# Altium PCB PCB1.PcbDoc (part 2 of 2)
Units mil, origin at the board's own origin, x right, y up, seen from the top; angles counter-clockwise.
Board outline 8167.88 x 5913.39 mil, 2 copper layers (TOPLAYER, BOTTOMLAYER); 164 components, 80 nets, 399 pads, 1383 vias.
Unrouted connection lines stored in the file: 647.
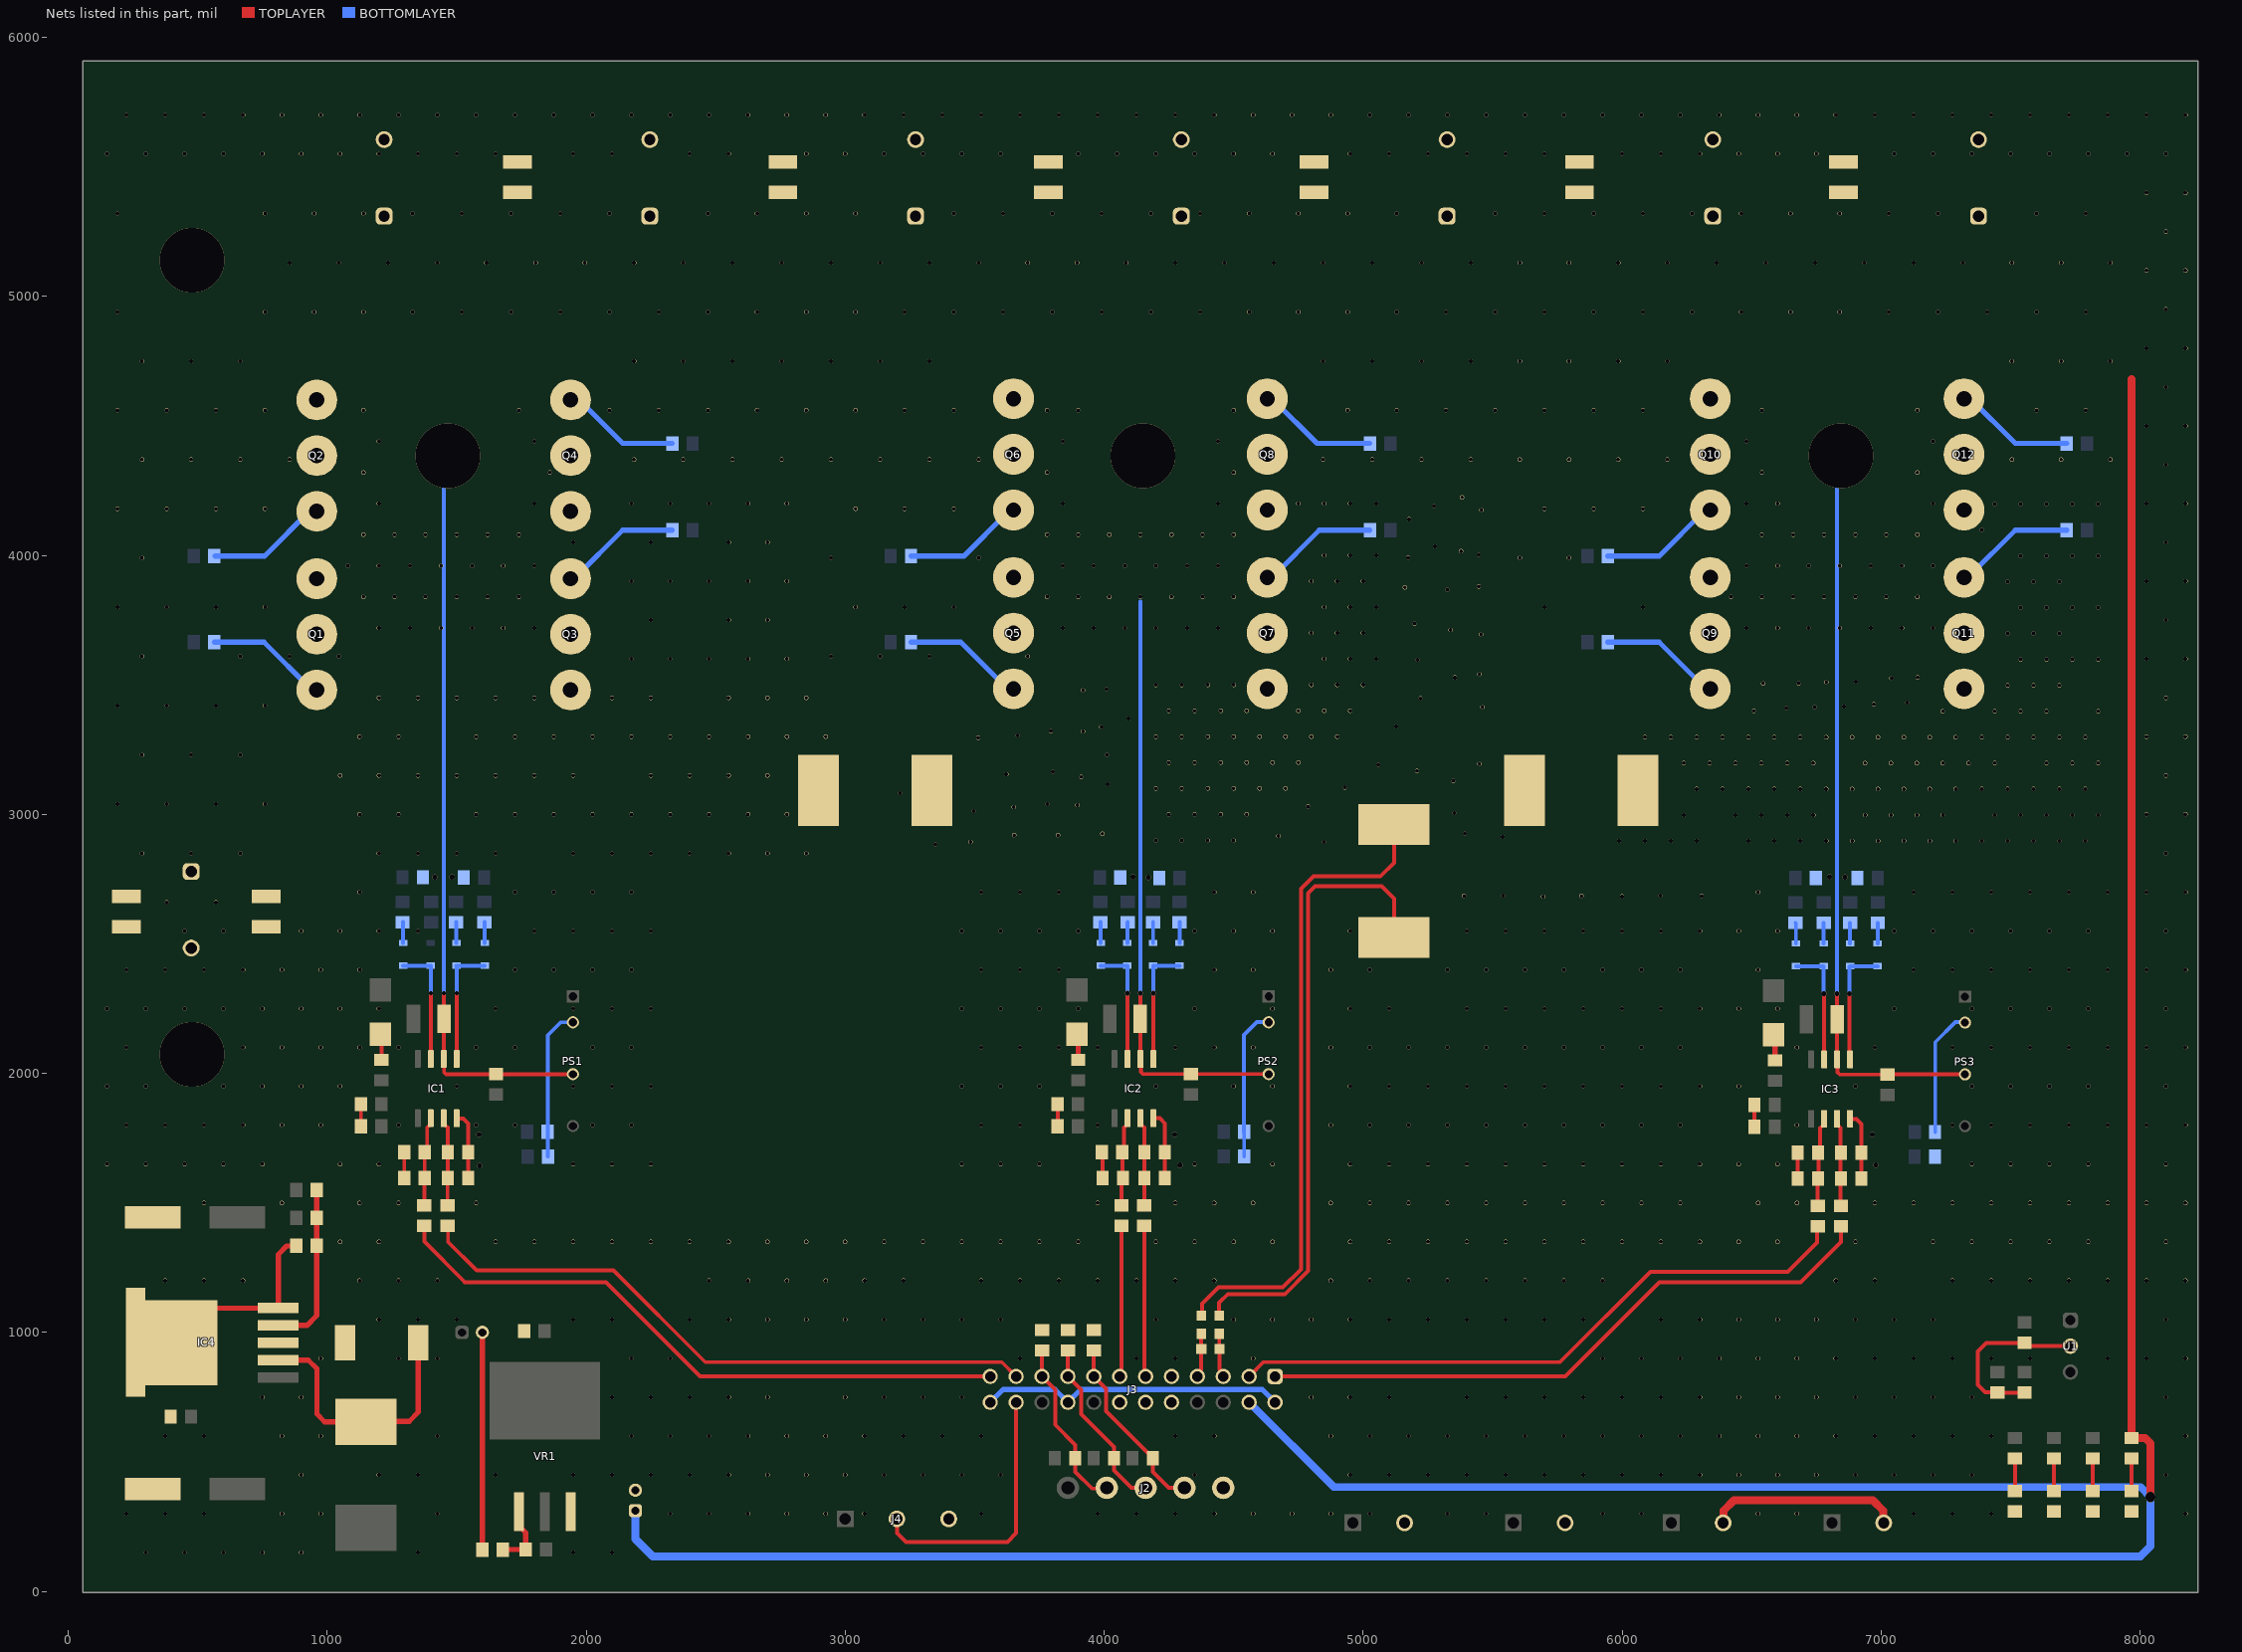
[diagram p2: the nets of this part, all layers, seen from the top]

## Via types
v1: diameter 16, hole 15, TOPLAYER to BOTTOMLAYER, tented both sides, 1340 vias
v2: diameter 20, hole 20, TOPLAYER to BOTTOMLAYER, tented both sides, 19 vias
v3: diameter 25, hole 25, TOPLAYER to BOTTOMLAYER, tented both sides, 6 vias
v4: diameter 250, hole 250, TOPLAYER to BOTTOMLAYER, 5 vias
v5: diameter 120, hole 110, TOPLAYER to BOTTOMLAYER, tented both sides, 4 vias
v6: diameter 125.98, hole 125.98, TOPLAYER to BOTTOMLAYER, tented both sides, 4 vias
v7: diameter 15, hole 15, TOPLAYER to BOTTOMLAYER, tented both sides, 3 vias
v8: diameter 40, hole 40, TOPLAYER to BOTTOMLAYER, tented both sides, 1 vias
v9: diameter 30, hole 30, TOPLAYER to BOTTOMLAYER, tented both sides, 1 vias

## Nets (pads, with @x,y where several pads share a name; then routed paths per layer and width w, separated by ;. In a path a pad name is that pad's centre, name@x,y a point inside that pad or via, vN(x,y) a via of type N, cw(c..) or ccw(c..) an arc to the next point about the centre after c; other vN are vias at no path point) (continued)
GND: +5V.2 +15V.2 +45V.2 C1.2 C3.2 C4.2 C5.2 C6.2 C7.1 C8.1 C9.1 C10.2 C11.2 C12.2 C13.2 C14.1 C15.1 C16.1 C17.1 C18.2 C20.1 C21.1 C22.2 C23.1 C24.1 C25.1 C26.1 C27.1 C29.2 C30.1 C31.1 C32.1 C33.1 C34.1 C36.1 C38.1 C39.1 C45.2 C46.2 C47.1 C50.1 C51.1 C53.1 C54.2 C55.2 C57.1 C58.1 C59.2 C60.1 D16.1 IC1.4 IC2.4 IC3.4 IC4.3 IC4.5 J2.5 J3.2 J3.9 J3.10 J3.12 J3.14 J3.18 J3.24 J4.3 P1.2 P2.2 P3.2 P4.2 PS1.2 PS2.2 PS3.2 R2.2 R9.2 R12.1 R16.2 R18.2 R27.2 R30.1 R33.2 R34.2 R36.2 R43.2 R46.1 R50.2 R52.1 R58.2 R60.2 U1.2 VIN.2 | length 9675.4
  TOPLAYER w15: C8.1@1130.63,1796.04 C7.1@1130.63,1881 ; C1.2@1297.63,1596 R2.2@1297.63,1696 ; IC1.4@1500,1826.67 1500.6,1826.07 1524.93,1826.07 1544.37,1806.63 R12.1@1544.37,1696 C9.1@1544.37,1596 ; C21.1@3820.63,1796.04 C20.1@3820.63,1881 ; R18.2@3991.63,1696 3993.63,1694 C18.2@3993.63,1596 ; IC2.4@4189.4,1827.27 IC2.4@4190,1826.67 4214.33,1826.67 4233.77,1807.23 C27.1@4233.77,1596.6 ; R60.2@4444,1065 4444,1115 4477,1148 4698,1148 4788,1238 4788,2695 4815,2722 5071,2722 5119,2674 R34.2@5119,2524.53 ; C31.1@6510.63,1794.04 C30.1@6510.63,1879 ; C29.2@6677.63,1594 R36.2@6677.63,1694 ; IC3.4@6879,1824.67 6879.6,1824.07 6903.93,1824.07 6923.37,1804.63 R46.1@6923.37,1694 C32.1@6923.37,1594 ; C33.1@7554,767.63 C34.1@7449,767.63 7447.36,769.27 7401.73,769.27 7373,798 7373,926 7406.63,959.63 C36.1@7554,959.63 7566.63,947 U1.2@7730.92,947
  TOPLAYER w20: IC4.3@399.74,960 533.6,1093.86 IC4.5@811.59,1093.86 811.59,1301.59 843.32,1333.32 878.97,1333.32 R52.1@880.66,1335 ; C55.2@1599.37,1015 1599.63,1014.74 R58.2@1599.63,161
  TOPLAYER w30: P3.2@6390,265 6391.19,266.19 6391.19,311.19 6432,352 6968,352 7008.81,311.19 7008.81,266.19 P4.2@7010,265
  BOTTOMLAYER w15: C38.1@1852.37,1679 1852.37,1773 C39.1@1851.37,1774 1851.37,2147.37 1901.18,2197.18 PS1.2@1949,2197.18 ; C50.1@4540.4,1679.28 4540.4,1773.28 4539.4,1774.28 4539.4,2147.65 4589.21,2197.47 PS2.2@4637.03,2197.47 ; C58.1@7209,1773.57 7209,2120.54 7286.71,2198.25 PS3.2@7334.53,2198.25
  BOTTOMLAYER w20: J3.24@3560,730 3609.53,779.53 3810.47,779.53 J3.18@3860,730 3909.53,779.53 4610.47,779.53 J3.2@4660,730
  other v1: 300,150 450,150 600,150 750,150 900,150 1350,150 1950,150 2100,150 225,300 375,300 525,300 825,300 975,300 1425,300 2325,300 2475,300 2625,300 2775,300 2925,300 3075,300 3525,300 3975,300 4125,300 4275,300 4425,300 4575,300 4725,300 4875,300 5025,300 5325,300 5475,300 5925,300 6075,300 6525,300 6675,300 7125,300 7275,300 7425,300 8175,300 900,450 1200,450 1350,450 1650,450 1950,450 2100,450 2250,450 2400,450 2550,450 2700,450 2850,450 3000,450 3150,450 3300,450 3450,450 3600,450 4350,450 4950,450 5100,450 5250,450 5400,450 5550,450 5700,450 5850,450 6000,450 6150,450 6300,450 6450,450 6600,450 6750,450 6900,450 7050,450 7200,450 7350,450 8100,450 375,600 525,600 825,600 975,600 1425,600 2175,600 2325,600 2475,600 2625,600 2775,600 2925,600 3075,600 3225,600 3375,600 3525,600 4275,600 4425,600 4875,600 5025,600 5175,600 5325,600 5475,600 5625,600 5775,600 5925,600 6075,600 6225,600 6375,600 6525,600 6675,600 6825,600 6975,600 7125,600 7275,600 7425,600 8175,600 750,750 900,750 2100,750 2250,750 2400,750 2550,750 2700,750 3000,750 3150,750 3300,750 3450,750 4800,750 4950,750 5100,750 5400,750 5550,750 5700,750 5850,750 6000,750 6150,750 6300,750 6450,750 6600,750 6750,750 6900,750 7050,750 7200,750 7350,750 8100,750 975,900 1275,900 1425,900 2175,900 2325,900 3675,900 4125,900 4275,900 4575,900 5925,900 6075,900 6225,900 6375,900 6525,900 6675,900 6825,900 6975,900 7125,900 7275,900 7425,900 7575,900 7875,900 8025,900 8175,900 1200,1050 1350,1050 1500,1050 1950,1050 2100,1050 2400,1050 2550,1050 2700,1050 2850,1050 3000,1050 3150,1050 3300,1050 3450,1050 3600,1050 4200,1050 4500,1050 4650,1050 4800,1050 4950,1050 5100,1050 5250,1050 5400,1050 5550,1050 5700,1050 5850,1050 6150,1050 6300,1050 6450,1050 6600,1050 6750,1050 6900,1050 7050,1050 7200,1050 8100,1050 375,1200 525,1200 675,1200 1125,1200 1275,1200 1425,1200 2475,1200 2625,1200 2775,1200 2925,1200 3075,1200 3225,1200 3525,1200 3675,1200 3825,1200 3975,1200 4125,1200 4275,1200 4425,1200 4875,1200 5025,1200 5175,1200 5325,1200 5475,1200 5625,1200 5775,1200 5925,1200 6825,1200 6975,1200 7275,1200 7425,1200 7575,1200 7725,1200 7875,1200 8025,1200 8175,1200 1050,1350 1200,1350 1650,1350 1800,1350 1950,1350 2100,1350 2250,1350 2400,1350 2550,1350 2700,1350 2850,1350 3000,1350 3150,1350 3300,1350 3450,1350 3600,1350 3750,1350 3900,1350 4200,1350 4350,1350 4500,1350 4650,1350 4950,1350 5100,1350 5250,1350 5400,1350 5550,1350 5700,1350 5850,1350 6000,1350 6150,1350 6300,1350 6450,1350 6600,1350 6900,1350 7200,1350 7350,1350 7500,1350 7650,1350 7800,1350 8100,1350 525,1500 825,1500 1125,1500 1275,1500 1575,1500 3975,1500 4275,1500 4425,1500 4575,1500 4875,1500 5025,1500 5175,1500 5325,1500 5475,1500 5625,1500 5775,1500 5925,1500 6075,1500 6225,1500 6525,1500 6675,1500 6975,1500 7125,1500 7275,1500 7425,1500 7575,1500 7725,1500 7875,1500 8025,1500 8175,1500 150,1650 300,1650 450,1650 600,1650 750,1650 1050,1650 1200,1650 1950,1650 2100,1650 2250,1650 3450,1650 3600,1650 3750,1650 4350,1650 4650,1650 4950,1650 5100,1650 5250,1650 5400,1650 5550,1650 5700,1650 5850,1650 6000,1650 6150,1650 6300,1650 6450,1650 6600,1650 7350,1650 7500,1650 7650,1650 7800,1650 8100,1650 225,1800 375,1800 525,1800 675,1800 825,1800 975,1800 1275,1800 1575,1800 1725,1800 2025,1800 2175,1800 3525,1800 3675,1800 3975,1800 4875,1800 5025,1800 5175,1800 5325,1800 5475,1800 5625,1800 5775,1800 5925,1800 6075,1800 6225,1800 6675,1800 7275,1800 7425,1800 7575,1800 7725,1800 7875,1800 8025,1800 8175,1800 150,1950 300,1950 600,1950 750,1950 900,1950 1050,1950 1500,1950 1950,1950 2100,1950 2250,1950 3450,1950 3600,1950 3750,1950 4200,1950 4500,1950 4650,1950 4950,1950 5100,1950 5250,1950 5400,1950 5550,1950 5700,1950 5850,1950 6000,1950 6150,1950 6300,1950 6450,1950 6900,1950 7350,1950 7500,1950 7650,1950 7800,1950 8100,1950 225,2100 675,2100 825,2100 975,2100 1125,2100 1275,2100 1575,2100 1725,2100 2025,2100 2175,2100 3525,2100 3675,2100 3825,2100 3975,2100 4275,2100 4425,2100 4575,2100 4875,2100 5025,2100 5175,2100 5325,2100 5475,2100 5625,2100 5775,2100 5925,2100 6075,2100 6225,2100 6675,2100 6975,2100 7275,2100 7425,2100 7575,2100 7725,2100 7875,2100 8025,2100 8175,2100 150,2250 300,2250 450,2250 600,2250 750,2250 900,2250 1050,2250 1200,2250 1650,2250 1950,2250 2100,2250 2250,2250 3450,2250 3600,2250 3750,2250 3900,2250 4350,2250 4650,2250 4950,2250 5100,2250 5400,2250 5550,2250 5700,2250 5850,2250 6000,2250 6150,2250 6300,2250 6450,2250 6600,2250 7050,2250 7350,2250 7500,2250 7650,2250 7800,2250 8100,2250 225,2400 375,2400 525,2400 675,2400 825,2400 975,2400 1125,2400 1725,2400 1875,2400 2025,2400 2175,2400 3525,2400 3675,2400 3825,2400 4425,2400 4575,2400 4875,2400 5025,2400 5325,2400 5475,2400 5625,2400 5775,2400 5925,2400 6075,2400 6225,2400 6525,2400 7125,2400 7275,2400 7425,2400 7575,2400 7725,2400 7875,2400 8025,2400 8175,2400 450,2550 600,2550 900,2550 1050,2550 1200,2550 1350,2550 1800,2550 1950,2550 2100,2550 2250,2550 3450,2550 3600,2550 3750,2550 3900,2550 4350,2550 4500,2550 4650,2550 4950,2550 5400,2550 5550,2550 5700,2550 5850,2550 6000,2550 6150,2550 6300,2550 6450,2550 6600,2550 7050,2550 7200,2550 7350,2550 7500,2550 7650,2550 7800,2550 8100,2550 5695,2682 6000,2683 5390,2685 5843,2685 6307,2685 5541,2686 6148,2686 1125,2700 1725,2700 1875,2700 2025,2700 2175,2700 3525,2700 3675,2700 3825,2700 4425,2700 4575,2700 6525,2700 7125,2700 7275,2700 7425,2700 7575,2700 7725,2700 7875,2700 8025,2700 8175,2700 8100,2850 8025,3000 8175,3000 8100,3150 8025,3300 8175,3300 8100,3450 8025,3600 8175,3600 8100,3750 8025,3900 8175,3900 8100,4050 8025,4200 8175,4200 8100,4350 8025,4500 8175,4500 8100,4650 8025,4800 8175,4800 8100,4950 8025,5100 8175,5100 8100,5250 8025,5400 8175,5400 150,5550 300,5550 450,5550 600,5550 750,5550 900,5550 1050,5550 1200,5550 1350,5550 1500,5550 1650,5550 1950,5550 2100,5550 2400,5550 2550,5550 2850,5550 3000,5550 3150,5550 3300,5550 3450,5550 3600,5550 3900,5550 4050,5550 4200,5550 4350,5550 4500,5550 4650,5550 4950,5550 5100,5550 5250,5550 5400,5550 5550,5550 5700,5550 6000,5550 6150,5550 6300,5550 6450,5550 6600,5550 6750,5550 7050,5550 7200,5550 7350,5550 7500,5550 7650,5550 7800,5550 7950,5550 8100,5550 225,5700 375,5700 525,5700 675,5700 825,5700 975,5700 1125,5700 1275,5700 1425,5700 1575,5700 1725,5700 1875,5700 2025,5700 2175,5700 2325,5700 2475,5700 2625,5700 2775,5700 2925,5700 3075,5700 3225,5700 3375,5700 3525,5700 3675,5700 3825,5700 3975,5700 4125,5700 4275,5700 4425,5700 4575,5700 4725,5700 4875,5700 5025,5700 5175,5700 5325,5700 5475,5700 5625,5700 5775,5700 5925,5700 6075,5700 6225,5700 6375,5700 6525,5700 6675,5700 6825,5700 6975,5700 7125,5700 7275,5700 7425,5700 7575,5700 7725,5700 7875,5700 8025,5700 8175,5700
  other v2: 1589,1644 4293,1646 6979,1646 1586,1764 4273,1764 6966,1764 4171,2756 1416,2758 1482,2758 4111,2758 6801,2758 6860,2758
  other v4: 478,2074
HA: C22.1 J2.2 J3.19 R25.1 | length 671.8
  TOPLAYER w15: C22.1@3760,930.63 J3.19@3760,830 3811,779 3811,643 3888.37,565.63 R25.1@3888.37,515 3888.37,461.63 3952.98,397.02 4007.02,397.02 J2.2@4010,400
HB: C59.1 J2.3 J3.17 R26.1 | length 690.7
  TOPLAYER w15: C59.1@3860.14,930.63 3860,930.49 J3.17@3860,830 3911,779 3911,684 4038,557 R26.1@4038,515 ; R26.1@4038.37,515 4038.37,502 4038.37,467.59 4105.96,400 J2.3@4160,400 J2.3@4162.98,402.98
HC: C60.2 J2.4 J3.15 R59.1 | length 713
  TOPLAYER w15: C60.2@3960,930.6 J3.15@3960,830 4008,782 4008,695.37 4168.31,535.06 4172.25,535.06 4188.37,518.94 4188.37,461.63 4250,400 J2.4@4310,400
IN+: C61.1 J3.7 R61.1 | length 169.2
  TOPLAYER w15: J3.7@4360,830 4360,841.92 4375,856.92 R61.1@4375,993
IN-: C61.2 J3.5 R60.1 | length 171.6
  TOPLAYER w15: R60.1@4444,995 4444.5,994.5 4444.5,936.5 C61.2@4445,936 4445,856.92 4460,841.92 J3.5@4460,830
Net+5V_1: +5V.1 R54.2 | length 126.3
  TOPLAYER w15: +5V.1@7517,387.37 R54.2@7517,513.63
Net+15V_1: +15V.1 R55.2 | length 126.3
  TOPLAYER w15: +15V.1@7667,387.37 R55.2@7667,513.63
Net+45V_1: +45V.1 R85.2 | length 126.3
  TOPLAYER w15: +45V.1@7817,387.37 R85.2@7817,513.63
NetC1_1: C1.1 IC1.2 R2.1 R4.1 | length 347.8
  TOPLAYER w15: R4.1@1375,1490.41 1375,1593.63 C1.1@1377.37,1596 ; C1.1@1376.37,1596 R2.1@1376.37,1696 1386.16,1705.79 1386.16,1790.93 1394.94,1799.72 1396.28,1799.72 1400,1803.44 IC1.2@1400,1826.67
NetC9_2: C9.2 IC1.3 R8.1 R12.2 | length 341.8
  TOPLAYER w15: IC1.3@1450,1826.67 1450,1803.44 1453.72,1799.72 1456.84,1799.72 1465.63,1790.93 R12.2@1465.63,1696 ; R8.1@1465,1490.41 1465,1595.37 C9.2@1465.63,1596 R12.2@1465.63,1693
NetC18_1: C18.1 IC2.2 R18.1 R20.1 | length 346
  TOPLAYER w15: R18.1@4066.37,1696 4077,1706.63 4077,1790.93 4085.79,1799.72 4086.28,1799.72 4090,1803.44 IC2.2@4090,1826.67 ; R20.1@4067.37,1490.74 C18.1@4067.37,1596 ; C18.1@4070.37,1596 R18.1@4070.37,1696
NetC27_2: C27.2 IC2.3 R24.1 R30.2 | length 341.8
  TOPLAYER w15: IC2.3@4140,1826.67 4140,1803.44 4143.72,1799.72 4146.84,1799.72 4155.63,1790.93 R30.2@4155.63,1696 ; R24.1@4155,1490.37 4155,1595.37 C27.2@4155.63,1596 R30.2@4155.63,1693
NetC29_1: C29.1 IC3.2 R36.1 R38.1 | length 346
  TOPLAYER w15: R36.1@6754.37,1694 6765,1704.63 6765,1788.93 6773.79,1797.72 6774.28,1797.72 6778,1801.44 IC3.2@6778,1824.67 ; R38.1@6755.37,1488.74 C29.1@6755.37,1594 ; C29.1@6758.37,1594 R36.1@6758.37,1694
NetC32_2: C32.2 IC3.3 R42.1 R46.2 | length 341.8
  TOPLAYER w15: IC3.3@6828,1824.67 6828,1801.44 6831.72,1797.72 6834.84,1797.72 6843.63,1788.93 R46.2@6843.63,1694 ; R42.1@6843,1488.41 6843,1593.37 6843.63,1594 R46.2@6843.63,1691
NetC48_1: C48.1 IC4.4 R51.1 R52.2 | length 648.9
  TOPLAYER w20: IC4.4@811.59,1026.93 921.93,1026.93 959.4,1064.4 R52.2@959.4,1335 ; R52.2@959.4,1335 R51.1@959.37,1442.64 C48.1@959.37,1550
NetD1_A: D1.A R1.2 | length 125.5
  TOPLAYER w15: D1.A@1205,2175.8 1210,2170.8 R1.2@1210,2052.37
NetD2_1: D2.1 R3.1 | length 80.1
  BOTTOMLAYER w15: D2.1@1293,2503.6 R3.1@1293,2583.66
NetD2_2: D2.2 D3.1 IC1.7 | length 467.6
  TOPLAYER w15: IC1.7@1400,2055.41 v7(1400,2310)
  BOTTOMLAYER w15: D2.2@1293,2416 D3.1@1400,2416 v7(1400,2310)
NetD4_1: D4.1 R13.2 | length 80
  BOTTOMLAYER w15: D4.1@1608,2503.6 R13.2@1608,2583.63
NetD4_2: D4.2 D5.1 IC1.5 | length 470
  TOPLAYER w15: IC1.5@1500,2055.41 v7(1500,2310)
  BOTTOMLAYER w15: v7(1500,2310) 1500,2415 D5.1@1499,2416 D4.2@1608,2416
NetD5_2: D5.2 R14.2 | length 80
  BOTTOMLAYER w15: D5.2@1499,2503.6 R14.2@1499,2583.63
NetD6_A: D6.A R17.2 | length 100.7
  TOPLAYER w20: D6.A@3895,2151 3900,2146 R17.2@3900,2052.37
NetD7_1: D7.1 R19.1 | length 80.5
  BOTTOMLAYER w15: R19.1@3986,2583.66 3987,2582.66 D7.1@3987,2503.6
NetD7_2: D7.2 D8.1 IC2.7 | length 464.6
  TOPLAYER w15: IC2.7@4090,2055.41 v2(4090,2310) v2@4090,2311
  BOTTOMLAYER w15: D7.2@3987,2416 D8.1@4090,2416 v2(4090,2310)
NetD8_2: D8.2 R23.2 | length 80.4
  BOTTOMLAYER w15: D8.2@4090,2503.6 4090,2582.63 R23.2@4091,2583.63
NetD9_1: D9.1 R31.2 | length 80
  BOTTOMLAYER w15: D9.1@4291,2503.6 R31.2@4291,2583.63
NetD9_2: D9.2 D10.1 IC2.5 | length 464
  TOPLAYER w15: IC2.5@4190,2055.41 v2(4190,2310) v2@4190,2311
  BOTTOMLAYER w15: v2(4190,2310) 4189.5,2310.5 4189.5,2415.5 D10.1@4189,2416 D9.2@4291,2416
NetD10_2: D10.2 R32.2 | length 80
  BOTTOMLAYER w15: D10.2@4189,2503.6 R32.2@4189,2583.63
NetD11_A: D11.A R35.2 | length 100.7
  TOPLAYER w20: D11.A@6585,2149 6590,2144 R35.2@6590,2050.37
NetD12_1: D12.1 R37.1 | length 80.9
  BOTTOMLAYER w15: R37.1@6669,2581.66 6671,2579.66 D12.1@6671,2501.6
NetD12_2: D12.2 D13.1 IC3.7 | length 467
  TOPLAYER w15: v2(6779,2308) 6779,2307.73 6780,2306.73 IC3.7@6780,2053.41
  BOTTOMLAYER w15: D12.2@6671,2414 D13.1@6778,2414 6778,2310.35 6778.04,2310.31 6778.04,2309.04 v2@6778,2309
NetD13_2: D13.2 R41.2 | length 80
  BOTTOMLAYER w15: D13.2@6778,2501.6 R41.2@6778,2581.63
NetD14_1: D14.1 R47.2 | length 80
  BOTTOMLAYER w15: D14.1@6987,2501.6 R47.2@6987,2581.63
NetD14_2: D14.2 D15.1 IC3.5 | length 466.2
  TOPLAYER w15: v2(6878,2308) 6878,2055.41 IC3.5@6880,2053.41
  BOTTOMLAYER w15: v2@6878,2311 6878.19,2311.19 6878.19,2412.19 D15.1@6880,2414 D14.2@6987,2414
NetD15_2: D15.2 R48.2 | length 80
  BOTTOMLAYER w15: D15.2@6880,2501.6 R48.2@6880,2581.63
NetD16_2: D16.2 IC4.2 L2.1 | length 1025
  TOPLAYER w20: IC4.2@811.59,893.07 926.93,893.07 960,860 960,685 990.28,654.72 L2.1@1150,654.72 1152.1,656.82 1316.82,656.82 1351.73,691.73 D16.2@1351.73,960
NetQ1_1: Q1.1 R5.2 | length 471.1
  BOTTOMLAYER w20: R5.2@564.37,3665 756.16,3665 935.96,3485.2 Q1.1@961,3485.2
NetQ2_1: Q2.1 R6.2 | length 471.1
  BOTTOMLAYER w20: R6.2@566.37,3997 758.16,3997 937.96,4176.8 Q2.1@963,4176.8
NetQ3_1: Q3.1 R10.2 | length 471.1
  BOTTOMLAYER w20: Q3.1@1936,3917.2 1961.04,3917.2 2140.84,4097 R10.2@2332.63,4097
NetQ3_3: Q3.3 Q4.3 R15.1
  other v1: 1200,2850 1350,2850 1500,2850 1650,2850 1950,2850 2100,2850 2250,2850 2400,2850 2550,2850 2700,2850 2850,2850 1125,3000 1275,3000 1575,3000 1725,3000 1875,3000 2025,3000 2175,3000 2325,3000 2475,3000 2625,3000 2775,3000 1050,3150 1200,3150 1350,3150 1500,3150 1650,3150 1800,3150 1950,3150 2250,3150 2400,3150 2550,3150 2700,3150 1125,3300 1275,3300 1575,3300 1725,3300 1875,3300 2025,3300 2175,3300 2325,3300 2475,3300 2625,3300 2775,3300 2925,3300 1200,3450 1350,3450 1500,3450 1650,3450 1800,3450 2100,3450 2250,3450 2550,3450 2700,3450 2850,3450 2175,3600 2325,3600 2475,3600 2625,3600 2775,3600 2250,3750 2550,3750 2700,3750 2175,3900 2325,3900 2475,3900 2625,3900 2775,3900 1950,4050 2250,4050 2550,4050 2700,4050 2175,4200 2325,4200 2475,4200 2625,4200 2775,4200
NetQ4_1: Q4.1 R11.2 | length 471.1
  BOTTOMLAYER w20: Q4.1@1936,4611.8 1961.04,4611.8 2140.84,4432 R11.2@2332.63,4432
NetQ5_1: Q5.1 R21.2 | length 471.1
  BOTTOMLAYER w20: R21.2@3254.37,3665 3446.16,3665 3625.96,3485.2 Q5.1@3651,3485.2
NetQ6_1: Q6.1 R22.2 | length 466.2
  BOTTOMLAYER w20: R22.2@3254.37,3997 3457.96,3997 3625.96,4165 Q6.1@3651,4165
NetQ7_1: Q7.1 R28.2 | length 468.9
  BOTTOMLAYER w20: Q7.1@4629,3920.08 4654.04,3920.08 4830.96,4097 R28.2@5024.63,4097
NetQ8_1: Q8.1 R29.2 | length 465.2
  BOTTOMLAYER w20: Q8.1@4629,4599.88 4654.04,4599.88 4821.92,4432 R29.2@5024.63,4432
NetQ9_1: Q9.1 R39.2 | length 468.3
  BOTTOMLAYER w20: R39.2@5944.37,3665 6143,3665 6315.96,3492.04 Q9.1@6341,3492.04
NetQ10_1: Q10.1 R40.2 | length 468.3
  BOTTOMLAYER w20: R40.2@5944.37,3997 6143,3997 6315.96,4169.96 Q10.1@6341,4169.96
NetQ11_1: Q11.1 R44.2 | length 468.3
  BOTTOMLAYER w20: Q11.1@7320,3924.04 7345.04,3924.04 7518,4097 R44.2@7716.63,4097
NetQ11_3: Q11.3 Q12.3 R49.1
  other v1: 5988,2898 6088,2898 6188,2898 6288,2898 6488,2898 6588,2898 6688,2898 6788,2898 6888,2898 6988,2898 7088,2898 7188,2898 7288,2898 7388,2898 7488,2898 7588,2898 7688,2898 7788,2898 6238,2998 6438,2998 6538,2998 6638,2998 6738,2998 6938,2998 7038,2998 7138,2998 7238,2998 7438,2998 7538,2998 7638,2998 7738,2998 7838,2998 6288,3098 6388,3098 6488,3098 6588,3098 6688,3098 6788,3098 6888,3098 6988,3098 7088,3098 7188,3098 7288,3098 7388,3098 7488,3098 7588,3098 7688,3098 7788,3098 6238,3198 6338,3198 6438,3198 6538,3198 6638,3198 6738,3198 6938,3198 7038,3198 7138,3198 7238,3198 7338,3198 7438,3198 7638,3198 7738,3198 7838,3198 6088,3298 6188,3298 6288,3298 6388,3298 6488,3298 6588,3298 6688,3298 6788,3298 6888,3298 6988,3298 7088,3298 7188,3298 7288,3298 7388,3298 7488,3298 7588,3298 7688,3298 7788,3298 7238,3398 7438,3398 7538,3398 7638,3398 7838,3398 6509.15,3399.76 6633.15,3410.76 6743.15,3414.76 6856.15,3415.76 6972.15,3424.76 7100.15,3431.76 7488,3498 7588,3498 7688,3498 6544.15,3505.76 6682.15,3505.76 6788.15,3509.76 6903.15,3512.76 7040.15,3525.76 7141.15,3528.76 7538,3598 7638,3598 7738,3598 7838,3598 7488,3698 7588,3698 7688,3698 7538,3798 7638,3798 7738,3798 7838,3798 7488,3898 7588,3898 7688,3898 7538,3998 7638,3998 7738,3998 7838,3998 7388,4098 7438,4198 7538,4198 7638,4198 7738,4198 7838,4198
NetQ12_1: Q12.1 R45.2 | length 468.3
  BOTTOMLAYER w20: Q12.1@7320,4604.96 7345.04,4604.96 7518,4432 R45.2@7716.63,4432
NetR53_2: R53.2 R58.1 VR1.1 | length 244.9
  TOPLAYER w20: R58.1@1678.37,161 1678.87,161.5 1766.13,161.5 R53.2@1766.63,162 1766.63,226.91 1741,252.54 VR1.1@1741,307.65
NetR56_2: R56.2 VIN.1 | length 125.6
  TOPLAYER w15: VIN.1@7967,388 R56.2@7967,513.63
PVDD: C3.1 C4.1 C5.1 C6.1 C10.1 C11.1 C12.1 C13.1 C14.2 C15.2 C16.2 C17.2 C23.2 C24.2 C25.2 C26.2 C54.1 J3.4 Q1.2 Q2.2 Q5.2 Q6.2 Q9.2 Q10.2 R56.1 VR1.3 | length 14201.8
  TOPLAYER w30: 7967,4680 R56.1@7967,592.37 8019.06,592.37 8040,571.43 v8(8040,365)
  BOTTOMLAYER w30: C54.1@2190,312 2190,202 2257,135 8001,135 8040,174 v8(8040,365) 8002,403 4887,403 J3.4@4560,730
  other v1: 380,2660 570,2660 285,2850 475,2850 665,2850 190,3040 380,3040 570,3040 760,3040 285,3230 475,3230 665,3230 190,3420 380,3420 570,3420 760,3420 285,3610 665,3610 855,3610 1045,3610 2945,3610 3135,3610 3325,3610 3705,3610 190,3800 380,3800 570,3800 760,3800 3040,3800 3230,3800 3420,3800 5700,3800 6080,3800 285,3990 2945,3990 3515,3990 5605,3990 5795,3990 190,4180 380,4180 570,4180 760,4180 3040,4180 3230,4180 3420,4180 5700,4180 5890,4180 6080,4180 285,4370 475,4370 665,4370 855,4370 2185,4370 2375,4370 2565,4370 2755,4370 2945,4370 3135,4370 3325,4370 3515,4370 4845,4370 5035,4370 5225,4370 5415,4370 5605,4370 5795,4370 5985,4370 6175,4370 7505,4370 7695,4370 7885,4370 190,4560 380,4560 570,4560 760,4560 2090,4560 2280,4560 2470,4560 2660,4560 2850,4560 3040,4560 3230,4560 3420,4560 4940,4560 5130,4560 5320,4560 5510,4560 5700,4560 5890,4560 6080,4560 7600,4560 7790,4560 285,4750 475,4750 665,4750 2185,4750 2375,4750 2565,4750 2755,4750 2945,4750 3135,4750 3325,4750 4845,4750 5035,4750 5225,4750 5415,4750 5605,4750 5795,4750 5985,4750 6175,4750 7505,4750 7695,4750 7885,4750 190,4940 760,4940 950,4940 1140,4940 1330,4940 1520,4940 1710,4940 1900,4940 2090,4940 2280,4940 2470,4940 2660,4940 2850,4940 3040,4940 3230,4940 3420,4940 3610,4940 3800,4940 3990,4940 4180,4940 4370,4940 4560,4940 4750,4940 4940,4940 5130,4940 5320,4940 5510,4940 5700,4940 5890,4940 6080,4940 6270,4940 6460,4940 6650,4940 6840,4940 7030,4940 7220,4940 7410,4940 7600,4940 7790,4940 855,5130 1045,5130 1235,5130 1425,5130 1615,5130 1805,5130 1995,5130 2185,5130 2375,5130 2565,5130 2755,5130 2945,5130 3135,5130 3325,5130 3515,5130 3705,5130 3895,5130 4085,5130 4275,5130 4465,5130 4655,5130 4845,5130 5035,5130 5225,5130 5415,5130 5605,5130 5795,5130 5985,5130 6175,5130 6365,5130 6555,5130 6745,5130 6935,5130 7125,5130 7315,5130 7505,5130 7695,5130 7885,5130 190,5320 760,5320 950,5320 1140,5320 1330,5320 1520,5320 1710,5320 1900,5320 2090,5320 2470,5320 2660,5320 2850,5320 3040,5320 3420,5320 3610,5320 3800,5320 3990,5320 4180,5320 4370,5320 4560,5320 4750,5320 4940,5320 5130,5320 5510,5320 5700,5320 5890,5320 6080,5320 6270,5320 6460,5320 6650,5320 6840,5320 7030,5320 7220,5320 7600,5320 7790,5320
  other v4: 478,5140
PWM_AH: J3.23 R4.2 | length 2458.6
  TOPLAYER w15: R4.2@1375,1411.67 1375,1351 1530,1196 ; 1531.65,1193 2077,1193 2440,830 J3.23@3560,830
PWM_AL: J3.21 R8.2 | length 2467
  TOPLAYER w15: R8.2@1465,1411.67 1466.67,1410 1466.67,1349.33 1575,1241 ; 1578.67,1239 2106,1239 2460,885 3605,885 J3.21@3660,830
PWM_BH: J3.13 R20.2 | length 588
  TOPLAYER w15: J3.13@4060,830 J3.13@4067,837 ; J3.13@4067,833.5 J3.13@4067,837 ; R20.2@4067,1411.63 J3.13@4067,837
PWM_BL: J3.11 R24.2 | length 588.7
  TOPLAYER w15: J3.11@4155,830 J3.11@4155,835 ; R24.2@4155,1411.63 J3.11@4155,835 ; J3.11@4160,830 J3.11@4155,835
PWM_CH: J3.3 R38.2 | length 2470.6
  TOPLAYER w15: J3.3@4560,830 4615,885 5760,885 6109,1234 6640,1234 6753.33,1347.33 6753.33,1408 R38.2@6755,1409.67
PWM_CL: J3.1 R42.2 | length 2459.7
  TOPLAYER w15: J3.1@4660,830 5780,830 6144,1194 6689.02,1194 ; 6690,1194 6845,1349 R42.2@6845,1409.67
Shunt: Q7.3 Q8.3 R15.2 R34.1 R49.2 R61.2 | length 2507.6
  TOPLAYER w15: R61.2@4378.4,1057.73 4378.4,1110.4 4442,1174 4690,1174 4760,1244 4760,2713 4808,2761 5067,2761 5119,2813 R34.1@5119,2961.54
  other v1: 3348,2884.3 3484,2894.3 4849,2894.3 4200,2900 4300,2900 4400,2900 4500,2900 5538,2912.3 4673,2916.3 3653,2919.3 3822,2919.3 3993,2925.3 5392,2926.3 4250,3000 4350,3000 4450,3000 4550,3000 5352,3005.3 3497,3013.3 3651,3028.3 4787.29,3030.81 3897,3035.3 3781,3040.3 3212,3081.3 4200,3100 4300,3100 4400,3100 4500,3100 4600,3100 4700,3100 4930,3104.3 4013,3116.3 5348,3129.3 3911.58,3144.21 3622,3154.3 3802,3164.3 5208,3167.3 5057.94,3190.83 5449.08,3194.78 4250,3200 4350,3200 4450,3200 4550,3200 4650,3200 4750,3200 4011,3230.3 3514,3296.3 4200,3300 4300,3300 4400,3300 4500,3300 4600,3300 4700,3300 4800,3300 4900,3300 3665,3305.3 3918.21,3319.81 3794,3321.3 3989.44,3338.04 5127,3339.3 4093.81,3369.51 4250,3400 4350,3400 4450,3400 4550,3400 4750,3400 4850,3400 4950,3400 5460.94,3414.06 5221.9,3447.64 3918,3479.3 4009.32,3483.82 4200,3500 4300,3500 4400,3500 4500,3500 4800,3500 4900,3500 5000,3500 5354,3528.3 5449.08,3540.49 5210,3597.3 4850,3600 4950,3600 5050,3600 5455,3694.3 4800,3700 4900,3700 5000,3700 5338,3712.3 5198,3736.3 4850,3800 4950,3800 5050,3800 5325,3868.3 5161,3876.3 5447,3880.3 4800,3900 4900,3900 5000,3900 5174,3991.3 4850,4000 4950,4000 5050,4000 5447,4002.3 5378,4016.3 5277,4034.3 5178,4139.3 5456.99,4174.63 5273,4190.3 4750,4200 4850,4200 4950,4200 5050,4200 5381.92,4224.02
SPEED: J3.22 J4.2 | length 1047.2
  TOPLAYER w15: J4.2@3200,280 3201.19,278.81 3201.19,224.81 3234.6,191.4 3626.4,191.4 3660,225 J3.22@3660,730
VSS_A: C2.1 C37.1 IC1.6 PS1.4 Q1.3 Q2.3 Q3.2 Q4.2 | length 2973.1
  TOPLAYER w15: v7(1450,2310) 1450,2213.52 C2.1@1452.48,2211.04 ; C2.1@1458.74,2211 1450,2202.26 IC1.6@1450,2055.41 1451.22,2054.19 1451.22,2004.79 1460.01,1996 1933.38,1996 1940.38,1989 PS1.4@1949,1989
  BOTTOMLAYER w15: v4@1444,4365 v4@1450,4359 ; v7(1450,2310) v4@1450,4460
  other v1: 1200,3720 1320,3720 1440,3720 1560,3720 1680,3720 1800,3720 1140,3840 1260,3840 1380,3840 1500,3840 1620,3840 1740,3840 1080,3960 1200,3960 1320,3960 1440,3960 1560,3960 1680,3960 1800,3960 1140,4080 1260,4080 1380,4080 1500,4080 1620,4080 1740,4080 1200,4200 1800,4200 1140,4320 1860,4320 1200,4440 1800,4440 1140,4560 1740,4560
  other v4: 1465,4384
VSS_B: C19.1 C49.1 IC2.6 PS2.4 Q5.3 Q6.3 Q7.2 Q8.2 | length 2314.8
  TOPLAYER w15: v2(4140,2310) 4140,2213.52 C19.1@4142.48,2211.04 ; C19.1@4142.48,2211 4140,2208.52 IC2.6@4140,2055.41 4141.22,2054.19 4141.22,2006.16 4150.01,1997.37 C49.1@4335,1997.37 PS2.4@4635,1997.37
  BOTTOMLAYER w15: v2(4140,2310) 4140,3821
  other v1: 3840,3720 3960,3720 4080,3720 4200,3720 4320,3720 4440,3720 3780,3840 3900,3840 4020,3840 4140,3840 4260,3840 4380,3840 4500,3840 3840,3960 3960,3960 4080,3960 4200,3960 4320,3960 4440,3960 3780,4080 3900,4080 4020,4080 4140,4080 4260,4080 4380,4080 4500,4080 3840,4200 4440,4200 3780,4320 4500,4320 3840,4440 4440,4440 3780,4560 3900,4560 4500,4560
  other v4: 4150,4384
VSS_C: C28.1 C56.1 IC3.6 PS3.4 Q9.3 Q10.3 Q11.2 Q12.2 | length 2879.6
  TOPLAYER w15: C28.1@6830,2206.52 IC3.6@6830,2053.41 6831.22,2052.19 6831.22,2004.16 6840.01,1995.37 C56.1@7025,1995.37 7025.63,1996 PS3.4@7324,1996 ; C28.1@6830,2211.52 C28.1@6832.48,2209.04 ; v2(6830,2308) 6830,2212.74 C28.1@6833.74,2209
  BOTTOMLAYER w15: v2(6830,2308) v4@6830,4384
  other v1: 6480,3720 6600,3720 6720,3720 6840,3720 6960,3720 7080,3720 7200,3720 6420,3840 6540,3840 6660,3840 6780,3840 6900,3840 7020,3840 7140,3840 6480,3960 6600,3960 6720,3960 6840,3960 6960,3960 7080,3960 7200,3960 6540,4080 6660,4080 6780,4080 6900,4080 7020,4080 7140,4080 6480,4200 6600,4200 7200,4200 6540,4320 7140,4320 6480,4440 7200,4440 6540,4560 7140,4560
  other v4: 6845,4384
pads on no net: D3.2 R7.2
copper on no net: | length 28211.1
  TOPLAYER w10: 60,0 8220,0 8220,5905.51 60,5905.51 60,0
  BOTTOMLAYER w20: 1400,2503.6 1400,2583.63
  other v5: 150,90 8130,90 150,5815.51 8130,5815.51
  other v6: 5205,703 2835,705 2835,2315 5190,2315

## Polygon pours and split planes (outlines as drawn)
GND on TOPLAYER "GND_L01_P104" (solid, remove dead copper, pour order 104): 6411,2805 6411,1156 7513,1156 7513,2805
GND on TOPLAYER "GND_L01_P101" (solid, remove dead copper, pour order 101): 1031,2805 1031,1150 2285,1150 2285,2805
+45V on TOPLAYER "+45V_L01_P001" (solid, remove dead copper, pour order 1): 1884,118 1802,118 1802,1050 1884,1050
PVDD on TOPLAYER "PVDD_L01_P091" (solid, remove dead copper, pour order 91): 995,2643 995,3372 860,3372 857,3370 857,3598 1056,3598 1056,3795 834,3795 834,4290 1056,4290 1056,4485 813,4485 813,4750 2070,4750 2070,4319 2859,4319 2859,3591.48 3744,3591.48 3744,3795 3525,3795 3525,4293.48 3744,4293.48 3744,4485 3501,4485 3501,4750 4755,4750 4755,4319 5549,4319 5549,3604.48 6438,3604.48 6438,3795 6216,3795 6216,4293.48 6434,4293.48 6434,4485 6192,4485 6192,4750 7442,4750 7442,4319 7982,4319 7982,5494.48 63.5,5494.48 63.5,2643
NetQ3_3 on TOPLAYER "NONET_L01_P-001" (solid, remove dead copper, pour order 62): 1030,2832 1030,3369 1079,3369 1079,3582 2097,3582 2097,4019 1845,4019 1845,4280 2820,4280 2820,3561 3057,3561 3057,2832
NetQ11_3 on TOPLAYER "NONET_L01_P-001" (solid, remove dead copper, pour order 93): 6457,3586.96 6457,3348 5916,3348 5916,2840 7929,2840 7929,4278 7225,4278 7225,4023.96 7477,4023.96 7477,3586.96
VSS_A on TOPLAYER "VSS_A_L01_P090" (solid, remove dead copper, pour order 90): 1835,4290 2040,4290 2040,4495.46 1840,4495.46 1840,4730 840,4730 840,4495.46 1080,4495.46 1080,4025 860,4025 860,3805 1080,3805 1080,3595 2065,3595 2065,3815 1835,3815
VSS_B on TOPLAYER "VSS_B_L01_P088" (solid, remove dead copper, pour order 88): 4525,4292 4730,4292 4730,4495.46 4530,4495.46 4530,4730 3530,4730 3530,4495.46 3770,4495.46 3770,4025 3550,4025 3550,3805 3770,3805 3770,3595 4755,3595 4755,3815 4525,3815
VSS_C on TOPLAYER "VSS_C_L01_P070" (solid, remove dead copper, pour order 70): 7215,4290 7420,4290 7420,4495.46 7220,4495.46 7220,4730 6220,4730 6220,4495.46 6460,4495.46 6460,4025 6240,4025 6240,3805 6460,3805 6460,3595 7445,3595 7445,3815 7215,3815
GND on TOPLAYER "GND_L01_P002" (solid, remove dead copper, pour order 2): 1788,1050 1788,960 1554.4,960 1554.4,1050
GND on TOPLAYER "GND_L01_P005" (solid, pour order 5): 435,821 435,348 220.87,348 220.87,821
GND on TOPLAYER "GND_L01_P004" (solid, pour order 4): 435,1112 435,1491 220,1491 220,1112
PVDD on TOPLAYER "PVDD_L01_P034" (solid, pour order 34): 1915,355 1915,268 2234,268 2234,355
GND on TOPLAYER "GND_L01_P006" (solid, pour order 6): 1110,990 1110,930 550,930 550,990
PVDD on Top Solder "NONET_L01_P008" (solid, pour order 8): 251.56,5348.22 724,5348.22 724,4875.78 251.56,4875.78
GND on Top Solder "GND_L01_P009" (solid, pour order 9): 251.56,2280.22 724,2280.22 724,1807.78 251.56,1807.78
VSS_C on Top Solder "GND_L01_P009" (solid): 6607.78,4610.44 7080.22,4610.44 7080.22,4138 6607.78,4138
VSS_B on Top Solder "GND_L01_P009" (solid): 3917.56,4610.44 4390,4610.44 4390,4138 3917.56,4138
VSS_A on Top Solder "GND_L01_P009" (solid): 1227.56,4610.44 1700,4610.44 1700,4138 1227.56,4138
NetQ11_3 on BOTTOMLAYER "NONET_L01_P-001" (solid, remove dead copper, pour order 97): 6454,3348 6460,3354 6460,3586.96 7203,3586.96 7477,3586.96 7477,4023.96 7225,4023.96 7225,4278 7956,4278 7956,2840 5916,2840 5916,3348
PVDD on BOTTOMLAYER "PVDD_L02_P076" (solid, remove dead copper, pour order 76): 63.5,2644 857,2644 857,3599 1056,3599 1056,3795 834,3795 834,4288 1056,4288 1056,4485 813,4485 813,4750 2070,4750 2070,4324 2859,4324 2859,3591.48 3744,3591.48 3744,3795 3525,3795 3525,4293.48 3744,4293.48 3744,4485 3501,4485 3501,4750 4755,4750 4755,4324 5549,4324 5549,3604.48 6438,3604.48 6438,3795 6216,3795 6216,4293.48 6434,4293.48 6434,4485 6192,4485 6192,4750 7442,4750 7442,4324 7982,4324 7982,5494.48 63.5,5494.48
Shunt on BOTTOMLAYER "NONET_L01_P-001" (solid, remove dead copper, pour order 96): 3166,2840 3166,3376 3213,3376 3218,3376 3769,3376 3769,3586.96 4787,3586.96 4787,4023.96 4535,4023.96 4535,4284.96 5510,4284.96 5510,3565.96 5763,3565.96 5763,2840
NetQ3_3 on BOTTOMLAYER "NONET_L01_P-001" (solid, remove dead copper, pour order 95): 1079,2834 1030,2834 1030,3366 1033,3369 1079,3369 1079,3582 2097,3582 2097,4019 1845,4019 1845,4280 2820,4280 2820,3561 3057,3561 3057,2834
VSS_A on BOTTOMLAYER "VSS_A_L02_P089" (solid, remove dead copper, pour order 89): 1835,4290 2040,4290 2040,4495.46 1840,4495.46 1840,4730 840,4730 840,4495.46 1080,4495.46 1080,4025 860,4025 860,3805 1080,3805 1080,3595 2065,3595 2065,3815 1835,3815
VSS_B on BOTTOMLAYER "VSS_B_L02_P087" (solid, remove dead copper, pour order 87): 4525,4290 4730,4290 4730,4495.46 4530,4495.46 4530,4730 3530,4730 3530,4495.46 3770,4495.46 3770,4025 3550,4025 3550,3805 3770,3805 3770,3595 4755,3595 4755,3815 4525,3815
VSS_C on BOTTOMLAYER "VSS_C_L02_P086" (solid, remove dead copper, pour order 86): 7215,4290 7420,4290 7420,4495.46 7220,4495.46 7220,4730 6220,4730 6220,4495.46 6460,4495.46 6460,4025 6240,4025 6240,3805 6460,3805 6460,3595 7445,3595 7445,3815 7215,3815

## Other copper
Multi-Layer:
  lines w7.87: 56.06,0 ccw(c60,0) 60,-3.94 ; 56.06,0 ccw(c60,0) 60,-3.94 ; 56.06,0 56.06,5905.51 ; 56.06,5905.51 cw(c60,5905.51) 60,5909.45 ; 56.06,5905.51 cw(c60,5905.51) 60,5909.45 ; 60,-3.94 8220,-3.94 ; 60,5909.45 8220,5909.45 ; 8220,-3.94 ccw(c8220,0) 8223.94,0 ; 8220,-3.94 ccw(c8220,0) 8223.94,0 ; 8220,5909.45 cw(c8220,5905.51) 8223.94,5905.51 ; 8220,5909.45 cw(c8220,5905.51) 8223.94,5905.51 ; 8223.94,0 8223.94,5905.51

## Silkscreen, mask and mechanical layers (free items; w line width, h text height)
Top Overlay:
  lines w5: 165.71,3243.19 165.71,4818 835,4818 835,3243.19 165.71,3243.19 ; 2064.71,3248.19 2064.71,4823 2734,4823 2734,3248.19 2064.71,3248.19 ; 2855.71,3250.19 2855.71,4825 3525,4825 3525,3250.19 2855.71,3250.19 ; 4755.71,3250.19 4755.71,4825 5425,4825 5425,3250.19 4755.71,3250.19 ; 5547.71,3253.19 5547.71,4828 6217,4828 6217,3253.19 5547.71,3253.19 ; 7445,3257 7445,4831.81 8114.29,4831.81 8114.29,3257 7445,3257
  text "POS (+)" at 305,4912 h60
  text "PHASE_A" at 1260,4658 h60
  text "PHASE_B" at 3950,4658 h60
  text "PHASE_C" at 6640,4658 h60
  text "HEAT_SINK" at 2089,4283.84 h60 r270
  text "HEAT_SINK" at 4779,4283.84 h60 r270
  text "HEAT_SINK" at 7469,4283.84 h60 r270
  text "HEAT_SINK" at 813,3776 h60 r90
  text "HEAT_SINK" at 3503,3776 h60 r90
  text "HEAT_SINK" at 6193,3776 h60 r90
  text "GND (-)" at 305,1846 h60
  text "1" at 3546,913 h60
  text "+5V" at 7538,154 h40 r90
  text "+15V" at 7689,121 h40 r90
  text "+45V" at 7839,115 h40 r90
  text "PVDD" at 7989,115 h40 r90
  text "POT" at 3120,20 h60
  text "POT+" at 3370,20 h60
  text "VCC" at 3663,20 h60
  text "H_A" at 3869,20 h60
  text "H_B" at 4087,20 h60
  text "H_C" at 4308,20 h60
  text "GND" at 4513,20 h60
  text "ENABLE" at 4778,20 h60
  text "GND" at 5165,20 h60
  text "FW/RV" at 5441,20 h60
  text "GND" at 5760,20 h60
  text "+12V" at 6060,20 h60
  text "GND" at 6340,20 h60
  text "FAN+" at 6693,20 h60
  text "GND" at 6968,20 h60
  text "POT-" at 2820,10 h60

## Text inside footprints (layer, text, board x,y; h text height)
C3: Bottom Overlay "+" at 1249.53,5081.38 h59.06 r90
C4: Bottom Overlay "+" at 2275.53,5081.38 h59.06 r90
C5: Bottom Overlay "+" at 3301.53,5081.38 h59.06 r90
C6: Bottom Overlay "+" at 4327.53,5081.38 h59.06 r90
C10: Bottom Overlay "+" at 5353.53,5081.38 h59.06 r90
C11: Bottom Overlay "+" at 6379.53,5081.38 h59.06 r90
C12: Bottom Overlay "+" at 7405.53,5081.38 h59.06 r90
C13: Bottom Overlay "+" at 445.47,3007.62 h59.06 r270
C54: Top Overlay "+" at 2170.32,231.29 h39.37 r270
C55: Top Overlay "+" at 1439.92,1019.68 h39.37 r180